# KiCad board panel_0.kicad_pcb (continued)
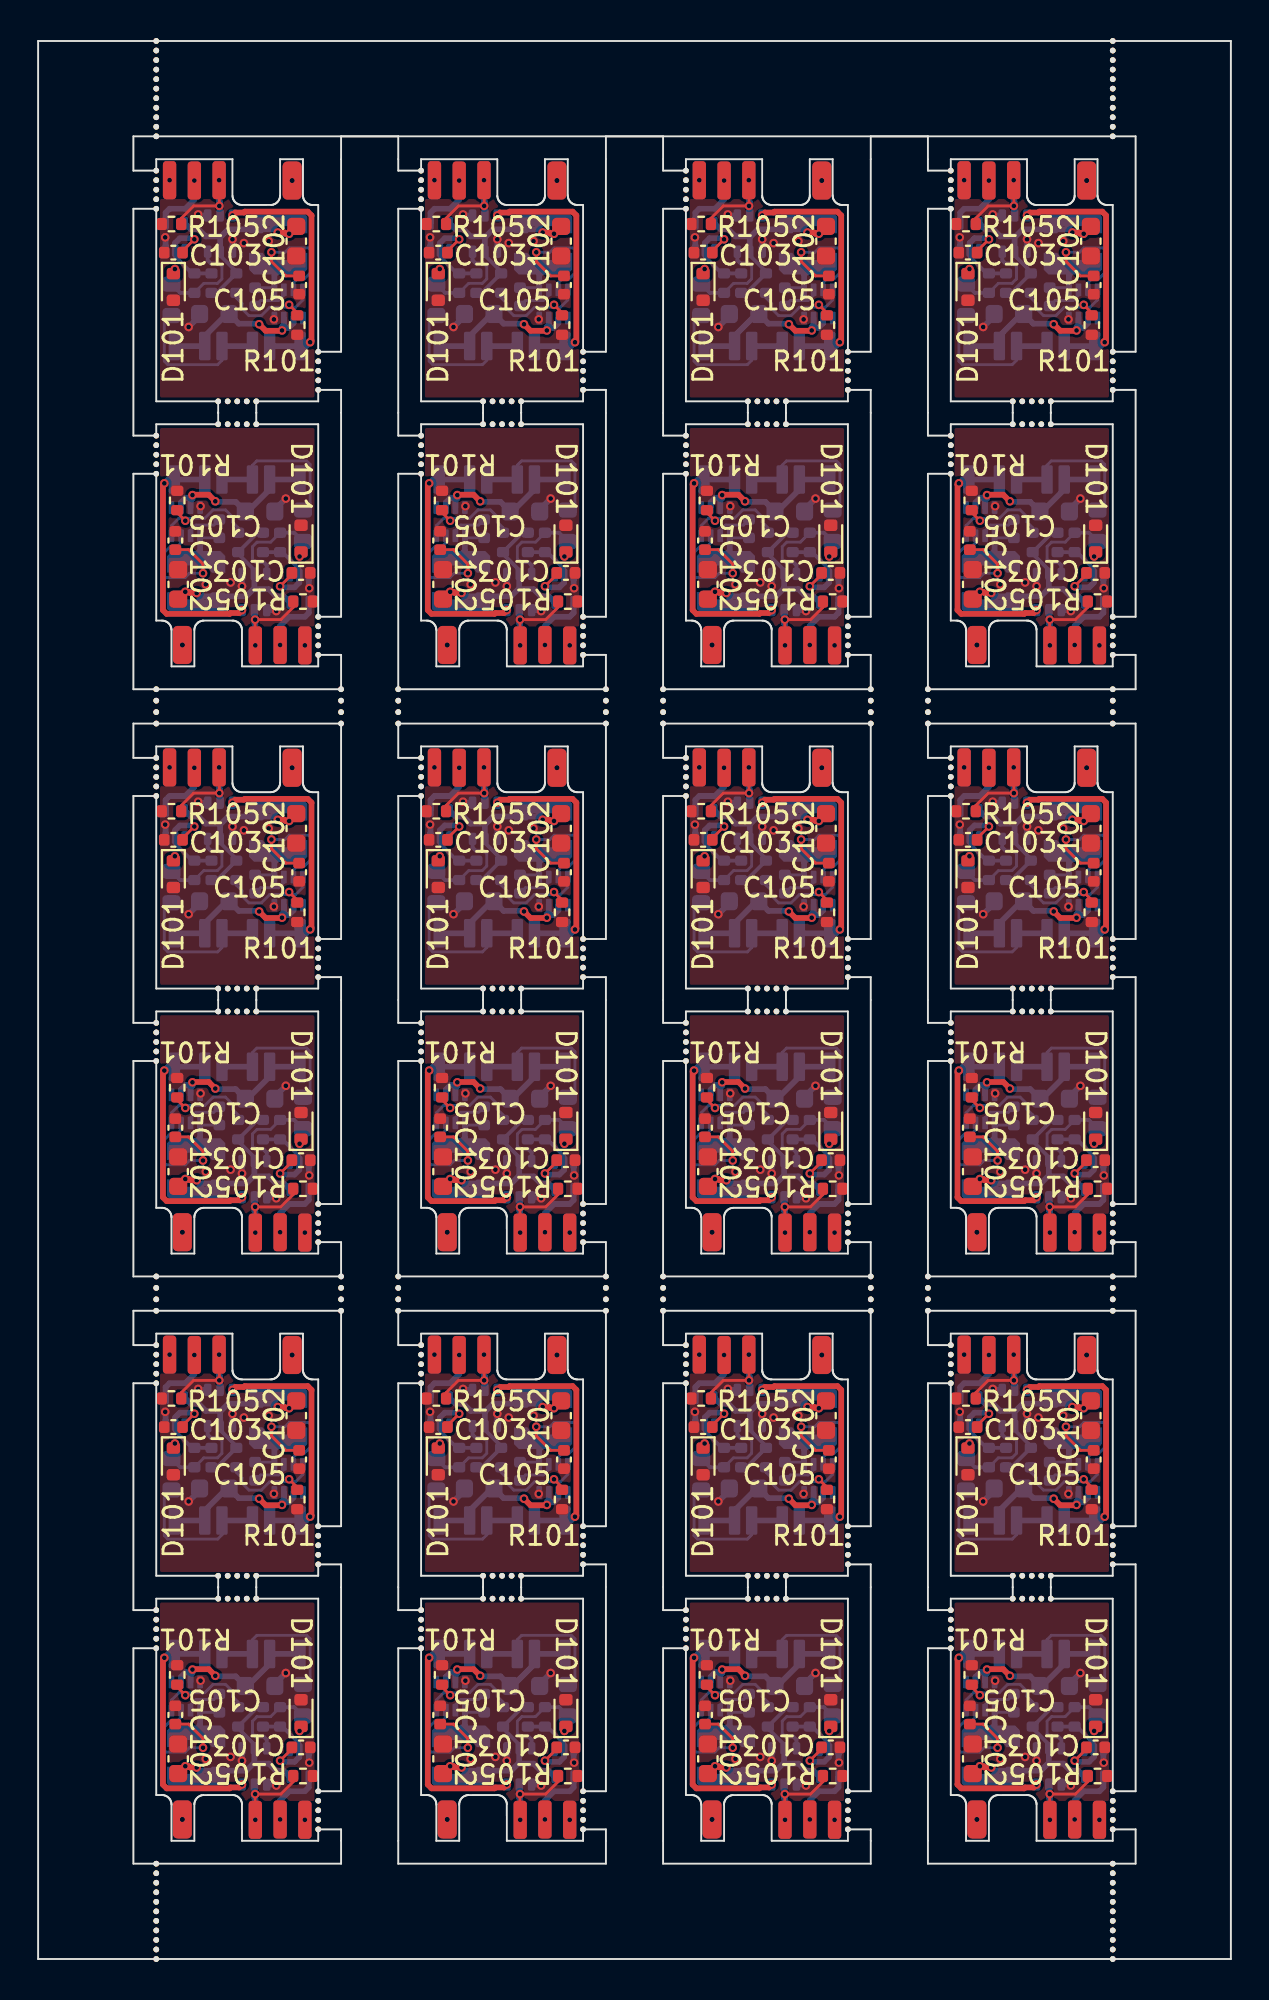
[diagram p0: board, top side]
## Nets (continued)
Board_10-/DBUS_R: D101#15.1 Q102#16.3 R102#10.1 R103#9.2
Board_10-/FB: R101#14.1 R104#5.2 U103#11.8
Board_10-/IN: C103#24.1 R102#10.2 R106#13.2 U102#11.2
Board_10-/IO4: H104#12.1 H110#14.1 Q102#16.5 R105#3.1
Board_10-/IO5: H105#24.1 H109#11.1 U102#11.4
Board_10-/SW: C104#13.2 L101#21.1 U103#11.5
Board_10-/V+: C101#5.1 H101#21.1 U103#11.2 U103#11.3
Board_10-/V-: H103#16.1 Q102#16.6
Board_10-GND: C101#5.2 C102#24.2 C103#24.2 C105#7.2 D101#15.2 H107#16.1 H111#16.1 Q102#16.1 Q102#16.4 R101#14.2 R105#3.2 U102#11.3 U103#11.4
Board_10-Net-(U103-SS): C105#7.1 U103#11.7
Board_10-unconnected-(U102-NC-Pad1): U102#11.1
Board_10-unconnected-(U103-RT-Pad1): U103#11.1
Board_11-+3V3: C102#14.1 H106#2.1 H108#13.1 L101#14.2 Q102#3.2 R104#17.1 R106#21.1 U102#4.5
Board_11-/BST: C104#4.1 U103#10.6
Board_11-/DBUS: H102#10.1 R103#16.1
Board_11-/DBUS_R: D101#17.1 Q102#3.3 R102#17.1 R103#16.2
Board_11-/FB: R101#18.1 R104#17.2 U103#10.8
Board_11-/IN: C103#6.1 R102#17.2 R106#21.2 U102#4.2
Board_11-/IO4: H104#13.1 H110#20.1 Q102#3.5 R105#23.1
Board_11-/IO5: H105#5.1 H109#17.1 U102#4.4
Board_11-/SW: C104#4.2 L101#14.1 U103#10.5
Board_11-/V+: C101#13.1 H101#22.1 U103#10.2 U103#10.3
Board_11-/V-: H103#9.1 Q102#3.6
Board_11-GND: C101#13.2 C102#14.2 C103#6.2 C105#15.2 D101#17.2 H107#3.1 H111#22.1 Q102#3.1 Q102#3.4 R101#18.2 R105#23.2 U102#4.3 U103#10.4
Board_11-Net-(U103-SS): C105#15.1 U103#10.7
Board_11-unconnected-(U102-NC-Pad1): U102#4.1
Board_11-unconnected-(U103-RT-Pad1): U103#10.1
Board_12-+3V3: C102#2.1 H106#17.1 H108#14.1 L101#18.2 Q102#18.2 R104#21.1 R106#7.1 U102#3.5
Board_12-/BST: C104#6.1 U103#12.6
Board_12-/DBUS: H102#9.1 R103#4.1
Board_12-/DBUS_R: D101#21.1 Q102#18.3 R102#6.1 R103#4.2
Board_12-/FB: R101#16.1 R104#21.2 U103#12.8
Board_12-/IN: C103#20.1 R102#6.2 R106#7.2 U102#3.2
Board_12-/IO4: H104#17.1 H110#9.1 Q102#18.5 R105#14.1
Board_12-/IO5: H105#16.1 H109#2.1 U102#3.4
Board_12-/SW: C104#6.2 L101#18.1 U103#12.5
Board_12-/V+: C101#15.1 H101#5.1 U103#12.2 U103#12.3
Board_12-/V-: H103#23.1 Q102#18.6
Board_12-GND: C101#15.2 C102#2.2 C103#20.2 C105#17.2 D101#21.2 H107#14.1 H111#14.1 Q102#18.1 Q102#18.4 R101#16.2 R105#14.2 U102#3.3 U103#12.4
Board_12-Net-(U103-SS): C105#17.1 U103#12.7
Board_12-unconnected-(U102-NC-Pad1): U102#3.1
Board_12-unconnected-(U103-RT-Pad1): U103#12.1
Board_13-+3V3: C102#4.1 H106#22.1 H108.1 L101#23.2 Q102#6.2 R104#2.1 R106#22.1 U102#17.5
Board_13-/BST: C104#20.1 U103.6
Board_13-/DBUS: H102#18.1 R103#21.1
Board_13-/DBUS_R: D101#7.1 Q102#6.3 R102#23.1 R103#21.2
Board_13-/FB: R101#4.1 R104#2.2 U103.8
Board_13-/IN: C103#3.1 R102#23.2 R106#22.2 U102#17.2
Board_13-/IO4: H104#11.1 H110#7.1 Q102#6.5 R105#8.1
Board_13-/IO5: H105#11.1 H109#16.1 U102#17.4
Board_13-/SW: C104#20.2 L101#23.1 U103.5
Board_13-/V+: C101#2.1 H101#6.1 U103.2 U103.3
Board_13-/V-: H103#18.1 Q102#6.6
Board_13-GND: C101#2.2 C102#4.2 C103#3.2 C105#8.2 D101#7.2 H107#11.1 H111.1 Q102#6.1 Q102#6.4 R101#4.2 R105#8.2 U102#17.3 U103.4
Board_13-Net-(U103-SS): C105#8.1 U103.7
Board_13-unconnected-(U102-NC-Pad1): U102#17.1
Board_13-unconnected-(U103-RT-Pad1): U103.1
Board_14-+3V3: C102#20.1 H106#7.1 H108#23.1 L101#10.2 Q102.2 R104#20.1 R106#10.1 U102#7.5
Board_14-/BST: C104#5.1 U103#9.6
Board_14-/DBUS: H102#4.1 R103#12.1
Board_14-/DBUS_R: D101#14.1 Q102.3 R102#19.1 R103#12.2
Board_14-/FB: R101#23.1 R104#20.2 U103#9.8
Board_14-/IN: C103#8.1 R102#19.2 R106#10.2 U102#7.2
Board_14-/IO4: H104#19.1 H110#16.1 Q102.5 R105#10.1
Board_14-/IO5: H105#22.1 H109#24.1 U102#7.4
Board_14-/SW: C104#5.2 L101#10.1 U103#9.5
Board_14-/V+: C101#7.1 H101#12.1 U103#9.2 U103#9.3
Board_14-/V-: H103#14.1 Q102.6
Board_14-GND: C101#7.2 C102#20.2 C103#8.2 C105#20.2 D101#14.2 H107#7.1 H111#21.1 Q102.1 Q102.4 R101#23.2 R105#10.2 U102#7.3 U103#9.4
Board_14-Net-(U103-SS): C105#20.1 U103#9.7
Board_14-unconnected-(U102-NC-Pad1): U102#7.1
Board_14-unconnected-(U103-RT-Pad1): U103#9.1
Board_15-+3V3: C102#8.1 H106#6.1 H108#3.1 L101#9.2 Q102#14.2 R104#24.1 R106#18.1 U102#12.5
Board_15-/BST: C104#14.1 U103#23.6
Board_15-/DBUS: H102#7.1 R103.1
Board_15-/DBUS_R: D101#10.1 Q102#14.3 R102#14.1 R103.2
Board_15-/FB: R101#17.1 R104#24.2 U103#23.8
Board_15-/IN: C103#2.1 R102#14.2 R106#18.2 U102#12.2
Board_15-/IO4: H104#14.1 H110#2.1 Q102#14.5 R105#7.1
Board_15-/IO5: H105#3.1 H109#8.1 U102#12.4
Board_15-/SW: C104#14.2 L101#9.1 U103#23.5
Board_15-/V+: C101#6.1 H101#18.1 U103#23.2 U103#23.3
Board_15-/V-: H103#6.1 Q102#14.6
Board_15-GND: C101#6.2 C102#8.2 C103#2.2 C105#2.2 D101#10.2 H107#6.1 H111#20.1 Q102#14.1 Q102#14.4 R101#17.2 R105#7.2 U102#12.3 U103#23.4
Board_15-Net-(U103-SS): C105#2.1 U103#23.7
Board_15-unconnected-(U102-NC-Pad1): U102#12.1
Board_15-unconnected-(U103-RT-Pad1): U103#23.1
Board_16-+3V3: C102#17.1 H106#21.1 H108#22.1 L101#5.2 Q102#20.2 R104#7.1 R106#14.1 U102#22.5
Board_16-/BST: C104#2.1 U103#19.6
Board_16-/DBUS: H102#13.1 R103#10.1
Board_16-/DBUS_R: D101#2.1 Q102#20.3 R102#3.1 R103#10.2
Board_16-/FB: R101.1 R104#7.2 U103#19.8
Board_16-/IN: C103#10.1 R102#3.2 R106#14.2 U102#22.2
Board_16-/IO4: H104#9.1 H110#18.1 Q102#20.5 R105#12.1
Board_16-/IO5: H105#2.1 H109#12.1 U102#22.4
Board_16-/SW: C104#2.2 L101#5.1 U103#19.5
Board_16-/V+: C101#22.1 H101#10.1 U103#19.2 U103#19.3
Board_16-/V-: H103#8.1 Q102#20.6
Board_16-GND: C101#22.2 C102#17.2 C103#10.2 C105#24.2 D101#2.2 H107#5.1 H111#11.1 Q102#20.1 Q102#20.4 R101.2 R105#12.2 U102#22.3 U103#19.4
Board_16-Net-(U103-SS): C105#24.1 U103#19.7
Board_16-unconnected-(U102-NC-Pad1): U102#22.1
Board_16-unconnected-(U103-RT-Pad1): U103#19.1
Board_17-+3V3: C102#15.1 H106#11.1 H108#5.1 L101#2.2 Q102#22.2 R104#19.1 R106#19.1 U102#16.5
Board_17-/BST: C104#8.1 U103#7.6
Board_17-/DBUS: H102#21.1 R103#20.1
Board_17-/DBUS_R: D101#18.1 Q102#22.3 R102#15.1 R103#20.2
Board_17-/FB: R101#3.1 R104#19.2 U103#7.8
Board_17-/IN: C103#9.1 R102#15.2 R106#19.2 U102#16.2
Board_17-/IO4: H104#18.1 H110#4.1 Q102#22.5 R105#24.1
Board_17-/IO5: H105.1 H109#9.1 U102#16.4
Board_17-/SW: C104#8.2 L101#2.1 U103#7.5
Board_17-/V+: C101#23.1 H101#17.1 U103#7.2 U103#7.3
Board_17-/V-: H103#19.1 Q102#22.6
Board_17-GND: C101#23.2 C102#15.2 C103#9.2 C105#16.2 D101#18.2 H107#13.1 H111#10.1 Q102#22.1 Q102#22.4 R101#3.2 R105#24.2 U102#16.3 U103#7.4
Board_17-Net-(U103-SS): C105#16.1 U103#7.7
Board_17-unconnected-(U102-NC-Pad1): U102#16.1
Board_17-unconnected-(U103-RT-Pad1): U103#7.1
Board_18-+3V3: C102#3.1 H106#4.1 H108#20.1 L101.2 Q102#13.2 R104.1 R106#4.1 U102#21.5
Board_18-/BST: C104#21.1 U103#21.6
Board_18-/DBUS: H102.1 R103#24.1
Board_18-/DBUS_R: D101#16.1 Q102#13.3 R102#24.1 R103#24.2
Board_18-/FB: R101#12.1 R104.2 U103#21.8
Board_18-/IN: C103#14.1 R102#24.2 R106#4.2 U102#21.2
Board_18-/IO4: H104#2.1 H110#12.1 Q102#13.5 R105#2.1
Board_18-/IO5: H105#20.1 H109#19.1 U102#21.4
Board_18-/SW: C104#21.2 L101.1 U103#21.5
Board_18-/V+: C101#21.1 H101#11.1 U103#21.2 U103#21.3
Board_18-/V-: H103#17.1 Q102#13.6
Board_18-GND: C101#21.2 C102#3.2 C103#14.2 C105#22.2 D101#16.2 H107#2.1 H111#19.1 Q102#13.1 Q102#13.4 R101#12.2 R105#2.2 U102#21.3 U103#21.4
Board_18-Net-(U103-SS): C105#22.1 U103#21.7
Board_18-unconnected-(U102-NC-Pad1): U102#21.1
Board_18-unconnected-(U103-RT-Pad1): U103#21.1
Board_19-+3V3: C102#11.1 H106#12.1 H108#2.1 L101#7.2 Q102#15.2 R104#6.1 R106#9.1 U102#19.5
Board_19-/BST: C104#22.1 U103#14.6
Board_19-/DBUS: H102#5.1 R103#19.1
Board_19-/DBUS_R: D101#5.1 Q102#15.3 R102#20.1 R103#19.2
Board_19-/FB: R101#8.1 R104#6.2 U103#14.8
Board_19-/IN: C103.1 R102#20.2 R106#9.2 U102#19.2
Board_19-/IO4: H104#4.1 H110#24.1 Q102#15.5 R105#13.1
Board_19-/IO5: H105#7.1 H109#18.1 U102#19.4
Board_19-/SW: C104#22.2 L101#7.1 U103#14.5
Board_19-/V+: C101#17.1 H101#23.1 U103#14.2 U103#14.3
Board_19-/V-: H103#15.1 Q102#15.6
Board_19-GND: C101#17.2 C102#11.2 C103.2 C105#13.2 D101#5.2 H107#20.1 H111#2.1 Q102#15.1 Q102#15.4 R101#8.2 R105#13.2 U102#19.3 U103#14.4
Board_19-Net-(U103-SS): C105#13.1 U103#14.7
Board_19-unconnected-(U102-NC-Pad1): U102#19.1
Board_19-unconnected-(U103-RT-Pad1): U103#14.1
Board_20-+3V3: C102#9.1 H106#5.1 H108#15.1 L101#12.2 Q102#9.2 R104#23.1 R106#17.1 U102#6.5
Board_20-/BST: C104#16.1 U103#2.6
Board_20-/DBUS: H102#6.1 R103#11.1
Board_20-/DBUS_R: D101#12.1 Q102#9.3 R102#2.1 R103#11.2
Board_20-/FB: R101#11.1 R104#23.2 U103#2.8
Board_20-/IN: C103#23.1 R102#2.2 R106#17.2 U102#6.2
Board_20-/IO4: H104#16.1 H110#21.1 Q102#9.5 R105#18.1
Board_20-/IO5: H105#17.1 H109#4.1 U102#6.4
Board_20-/SW: C104#16.2 L101#12.1 U103#2.5
Board_20-/V+: C101#16.1 H101#19.1 U103#2.2 U103#2.3
Board_20-/V-: H103#20.1 Q102#9.6
Board_20-GND: C101#16.2 C102#9.2 C103#23.2 C105#21.2 D101#12.2 H107#9.1 H111#5.1 Q102#9.1 Q102#9.4 R101#11.2 R105#18.2 U102#6.3 U103#2.4
Board_20-Net-(U103-SS): C105#21.1 U103#2.7
Board_20-unconnected-(U102-NC-Pad1): U102#6.1
Board_20-unconnected-(U103-RT-Pad1): U103#2.1
Board_21-+3V3: C102.1 H106#13.1 H108#9.1 L101#17.2 Q102#19.2 R104#13.1 R106#8.1 U102#13.5
Board_21-/BST: C104#7.1 U103#18.6
Board_21-/DBUS: H102#11.1 R103#6.1
Board_21-/DBUS_R: D101#9.1 Q102#19.3 R102#16.1 R103#6.2
Board_21-/FB: R101#19.1 R104#13.2 U103#18.8
Board_21-/IN: C103#13.1 R102#16.2 R106#8.2 U102#13.2
Board_21-/IO4: H104#15.1 H110#19.1 Q102#19.5 R105#4.1
Board_21-/IO5: H105#9.1 H109#22.1 U102#13.4
Board_21-/SW: C104#7.2 L101#17.1 U103#18.5
Board_21-/V+: C101#14.1 H101#3.1 U103#18.2 U103#18.3
Board_21-/V-: H103#13.1 Q102#19.6
Board_21-GND: C101#14.2 C102.2 C103#13.2 C105#14.2 D101#9.2 H107#24.1 H111#12.1 Q102#19.1 Q102#19.4 R101#19.2 R105#4.2 U102#13.3 U103#18.4
Board_21-Net-(U103-SS): C105#14.1 U103#18.7
Board_21-unconnected-(U102-NC-Pad1): U102#13.1
Board_21-unconnected-(U103-RT-Pad1): U103#18.1
Board_22-+3V3: C102#23.1 H106#14.1 H108#17.1 L101#8.2 Q102#21.2 R104#8.1 R106#11.1 U102#18.5
Board_22-/BST: C104#10.1 U103#20.6
Board_22-/DBUS: H102#12.1 R103#5.1
Board_22-/DBUS_R: D101#11.1 Q102#21.3 R102#9.1 R103#5.2
Board_22-/FB: R101#20.1 R104#8.2 U103#20.8
Board_22-/IN: C103#22.1 R102#9.2 R106#11.2 U102#18.2
Board_22-/IO4: H104#21.1 H110.1 Q102#21.5 R105#20.1
Board_22-/IO5: H105#14.1 H109#5.1 U102#18.4
Board_22-/SW: C104#10.2 L101#8.1 U103#20.5
Board_22-/V+: C101#24.1 H101#7.1 U103#20.2 U103#20.3
Board_22-/V-: H103#11.1 Q102#21.6
Board_22-GND: C101#24.2 C102#23.2 C103#22.2 C105#10.2 D101#11.2 H107#23.1 H111#17.1 Q102#21.1 Q102#21.4 R101#20.2 R105#20.2 U102#18.3 U103#20.4
Board_22-Net-(U103-SS): C105#10.1 U103#20.7
Board_22-unconnected-(U102-NC-Pad1): U102#18.1
Board_22-unconnected-(U103-RT-Pad1): U103#20.1
Board_23-+3V3: C102#7.1 H106#9.1 H108#16.1 L101#3.2 Q102#11.2 R104#12.1 R106#23.1 U102.5
Board_23-/BST: C104.1 U103#3.6
Board_23-/DBUS: H102#23.1 R103#3.1
Board_23-/DBUS_R: D101#13.1 Q102#11.3 R102#7.1 R103#3.2
Board_23-/FB: R101#22.1 R104#12.2 U103#3.8
Board_23-/IN: C103#7.1 R102#7.2 R106#23.2 U102.2
Board_23-/IO4: H104#3.1 H110#13.1 Q102#11.5 R105#6.1
Board_23-/IO5: H105#21.1 H109#14.1 U102.4
Board_23-/SW: C104.2 L101#3.1 U103#3.5
Board_23-/V+: C101#18.1 H101#16.1 U103#3.2 U103#3.3
Board_23-/V-: H103#5.1 Q102#11.6
Board_23-GND: C101#18.2 C102#7.2 C103#7.2 C105#9.2 D101#13.2 H107#17.1 H111#9.1 Q102#11.1 Q102#11.4 R101#22.2 R105#6.2 U102.3 U103#3.4
Board_23-Net-(U103-SS): C105#9.1 U103#3.7
Board_23-unconnected-(U102-NC-Pad1): U102.1
Board_23-unconnected-(U103-RT-Pad1): U103#3.1

## Via types
v1: diameter 0.45, hole 0.25, Top to Bottom, 552 vias

## Routing (per net, layer and track width the routed paths; a pad name or vN(x,y) marks a point on that pad's centre or on a via; arc(x,y) is an arc through that point)
Board_0-+3V3: length 10.3
  Top w0.3: v1(12.58,90.55) 12.93,90.55 12.99,90.49 v1(13.17,90.49)
  Bottom w0.2: Q102#5.2 9.55,89.35 10.4,88.5 R104#16.1 9.38,87.39 R106#12.1
  Bottom w0.3: Q102#5.2 9.55,90.3 ; 9.55,90.3 9.5,90.35 8.79,90.35 8.42,90.73 8.01,90.73 U102#8.5 ; 9.55,90.3 9.97,90.72 12.25,90.72 12.6,91.07 L101#16.2
  vias: v1(13.33,93.28) v1(13.33,93.28)
Board_0-/BST: length 2
  Bottom w0.15: U103#17.6 12.9,87.27 12.62,86.99 11.68,86.99 C104#11.1
Board_0-/DBUS: length 8.1
  Bottom w0.15: H102#3.1 9.65,83.85 9.42,83.62 6.81,83.62 6.62,83.81 6.62,85.82 R103#22.1
  Bottom w0.3: H102#3.1 H102#3.1
Board_0-/DBUS_R: length 6.3
  Top w0.15: 7.1,88.56 v1(7.18,88.64)
  Bottom w0.15: R102#13.1 8.7,87.89 9.41,87.89 9.65,88.12 9.65,88.79 9.54,88.9 9.45,88.9 ; 7.04,87.89 R103#22.2 7,88.62 7.02,88.64 v1(7.18,88.64)
  Bottom w0.2: R102#13.1 7.46,87.39 R103#22.2 ; 9.52,88.88 9.47,88.93 9.07,88.93 8.9,89.1 Q102#5.3
Board_0-/FB: length 5.9
  Top w0.15: R101#10.1 13.6,86.34 v1(13.17,86.76)
  Bottom w0.15: U103#17.8 13.9,87.02 13.51,86.63 12.15,86.63 11.72,86.19 11.06,86.19 10.7,86.56 10.7,86.83 10.4,87.13 R104#16.2
Board_0-/IN: length 5.1
  Top w0.15: v1(8.2,90.2) 7.58,89.58 C103#16.1
  Bottom w0.2: R106#12.2 R102#13.2 8.08,88.41 7.19,89.3 U102#8.2
  Bottom w0.3: v1(8.2,90.2) 8.14,90.26 7.44,90.26 7.19,90.01 U102#8.2
Board_0-/IO4: length 5.9
  Top w0.15: v1(9.5,93.3) 9.51,93.29 v1(9.51,91.95) ; R105#9.1 7.51,91.3 8.16,91.95 v1(9.51,91.95) ; v1(9.51,91.95) 9.51,91.85
  Bottom w0.3: Q102#5.5 9.55,92.15 9.5,92.2 v1(9.5,93.3)
Board_0-/IO5: length 3.3
  Bottom w0.3: v1(8.2,93.28) 8.2,92.28 7.72,91.8 6.9,91.8 6.69,91.59 U102#8.4
Board_0-/SW: length 2.3
  Bottom w0.15: U103#17.5 12.29,87.66 C104#11.2
  Bottom w0.3: L101#16.1 12.6,88.53 12.4,88.33 U103#17.5
Board_0-/V+: length 8.7
  Top w0.3: v1(12.8,85.42) 12.78,85.4 11.94,85.4 v1(11.6,85.74)
  Bottom w0.3: v1(11.6,85.74) 11.57,85.77 10.53,85.77 10.02,86.28 9.9,86.28 8.75,85.13 H101#8.1 H101#8.1 ; U103#17.3 12.9,85.7 12.8,85.6 v1(12.8,85.42) 12.94,85.56 13.16,85.56 13.4,85.8 U103#17.2
Board_0-/V-: length 13.2
  Top w0.3: v1(10.2,91.45) 10.35,91.6 10.8,91.6 10.85,91.65 14.15,91.65 14.35,91.45 14.35,84.87 v1(14.27,84.8)
  Bottom w0.3: H103#22.1 H103#22.1 14.08,84.6 v1(14.27,84.8)
Board_0-GND: length 2.9
  Bottom w0.2: v1(12.37,86) 12.4,86.02 U103#17.4
  Bottom w0.3: U102#8.3 6.69,90.28 v1(6.67,90.3) ; Q102#5.4 8.45,91.45 v1(8.4,91.5) ; C101#12.2 8.47,86.17 v1(7.9,85.6) ; Q102#5.1 v1(10.2,90.2)
  vias: v1(6.9,93.3) v1(10.8,90) v1(12.1,90.1)
Board_0-Net-(U103-SS): length 7.2
  Top w0.15: C105#18.1 13,88.28 12.25,89.03 v1(12.25,89.52)
  Bottom w0.15: U103#17.7 13.4,87.92 13.6,88.12 13.97,88.12 14.36,88.51 14.36,89.59 14.2,89.74 13.18,89.74 12.96,89.52 v1(12.25,89.52)
Board_1-+3V3: length 10.3
  Top w0.3: v1(26.48,90.55) 26.83,90.55 26.89,90.49 v1(27.08,90.49)
  Bottom w0.2: R106#16.1 23.28,87.39 R104#22.1 24.3,88.5 23.45,89.35 Q102#24.2
  Bottom w0.3: Q102#24.2 23.45,90.3 ; 23.45,90.3 23.4,90.35 22.69,90.35 22.32,90.73 21.91,90.73 U102#23.5 ; 23.45,90.3 23.87,90.72 26.15,90.72 26.5,91.07 L101#19.2
  vias: v1(27.23,93.28) v1(27.23,93.28)
Board_1-/BST: length 2
  Bottom w0.15: U103#4.6 26.8,87.27 26.52,86.99 25.58,86.99 C104#15.1
Board_1-/DBUS: length 8.1
  Bottom w0.15: H102#17.1 23.55,83.85 23.32,83.62 20.71,83.62 20.52,83.81 20.52,85.82 R103#17.1
  Bottom w0.3: H102#17.1 H102#17.1
Board_1-/DBUS_R: length 6.3
  Top w0.15: 21,88.56 v1(21.08,88.64)
  Bottom w0.15: 23.35,88.9 23.44,88.9 23.55,88.79 23.55,88.12 23.31,87.89 22.6,87.89 R102.1 ; v1(21.08,88.64) 20.92,88.64 20.9,88.62 R103#17.2 20.94,87.89
  Bottom w0.2: 23.42,88.88 23.37,88.93 22.97,88.93 22.8,89.1 Q102#24.3 ; R103#17.2 21.36,87.39 R102.1
Board_1-/FB: length 5.9
  Top w0.15: v1(27.07,86.76) 27.5,86.34 R101#13.1
  Bottom w0.15: R104#22.2 24.3,87.13 24.6,86.83 24.6,86.56 24.96,86.19 25.62,86.19 26.05,86.63 27.41,86.63 27.8,87.02 U103#4.8
Board_1-/IN: length 5.1
  Top w0.15: v1(22.1,90.2) 21.48,89.58 C103#4.1
  Bottom w0.2: R106#16.2 R102.2 21.98,88.41 21.09,89.3 U102#23.2
  Bottom w0.3: v1(22.1,90.2) 22.04,90.26 21.34,90.26 21.09,90.01 U102#23.2
Board_1-/IO4: length 5.9
  Top w0.15: 23.41,91.85 v1(23.41,91.95) ; v1(23.41,91.95) 23.41,93.29 v1(23.4,93.3) ; v1(23.41,91.95) 22.06,91.95 21.41,91.3 R105#19.1
  Bottom w0.3: Q102#24.5 23.45,92.15 23.4,92.2 v1(23.4,93.3)
Board_1-/IO5: length 3.3
  Bottom w0.3: v1(22.1,93.28) 22.1,92.28 21.62,91.8 20.8,91.8 20.59,91.59 U102#23.4
Board_1-/SW: length 2.3
  Bottom w0.15: U103#4.5 26.19,87.66 C104#15.2
  Bottom w0.3: U103#4.5 26.3,88.33 26.5,88.53 L101#19.1
Board_1-/V+: length 8.7
  Top w0.3: v1(25.5,85.74) 25.84,85.4 26.68,85.4 v1(26.7,85.42)
  Bottom w0.3: U103#4.2 27.3,85.8 27.06,85.56 26.84,85.56 v1(26.7,85.42) 26.7,85.6 26.8,85.7 U103#4.3 ; v1(25.5,85.74) 25.47,85.77 24.43,85.77 C101#11.1 23.8,86.28 22.65,85.13 H101#20.1 H101#20.1
Board_1-/V-: length 13.2
  Top w0.3: v1(24.1,91.45) 24.25,91.6 24.7,91.6 24.75,91.65 28.05,91.65 28.25,91.45 28.25,84.87 v1(28.17,84.8)
  Bottom w0.3: H103#21.1 H103#21.1 27.98,84.6 v1(28.17,84.8)
Board_1-GND: length 2.9
  Bottom w0.2: U103#4.4 26.3,86.02 v1(26.27,86)
  Bottom w0.3: C101#11.2 22.37,86.17 v1(21.8,85.6) ; U102#23.3 20.59,90.28 v1(20.57,90.3) ; Q102#24.1 v1(24.1,90.2) ; v1(22.3,91.5) 22.35,91.45 Q102#24.4
  vias: v1(20.8,93.3) v1(24.7,90) v1(26,90.1)
Board_1-Net-(U103-SS): length 7.2
  Top w0.15: v1(26.15,89.52) 26.15,89.03 26.9,88.28 C105#4.1
  Bottom w0.15: v1(26.15,89.52) 26.86,89.52 27.08,89.74 28.1,89.74 28.26,89.59 28.26,88.51 27.87,88.12 27.5,88.12 27.3,87.92 U103#4.7
Board_2-+3V3: length 10.3
  Top w0.3: v1(40.38,90.55) 40.73,90.55 40.79,90.49 v1(40.98,90.49)
  Bottom w0.2: Q102#10.2 37.35,89.35 38.2,88.5 R104#9.1 37.18,87.39 R106.1
  Bottom w0.3: 37.35,90.3 37.3,90.35 36.59,90.35 36.22,90.73 35.81,90.73 U102#24.5 ; 37.35,90.3 Q102#10.2 ; 37.35,90.3 37.77,90.72 40.05,90.72 40.4,91.07 L101#11.2
  vias: v1(41.13,93.28) v1(41.13,93.28)
Board_2-/BST: length 2
  Bottom w0.15: U103#24.6 40.7,87.27 40.42,86.99 39.48,86.99 C104#9.1
Board_2-/DBUS: length 8.1
  Bottom w0.15: H102#22.1 37.45,83.85 37.22,83.62 34.61,83.62 34.42,83.81 34.42,85.82 R103#14.1
  Bottom w0.3: H102#22.1 H102#22.1
Board_2-/DBUS_R: length 6.3
  Top w0.15: 34.9,88.56 v1(34.98,88.64)
  Bottom w0.15: v1(34.98,88.64) 34.82,88.64 34.8,88.62 R103#14.2 34.84,87.89 ; 37.25,88.9 37.34,88.9 37.45,88.79 37.45,88.12 37.21,87.89 36.5,87.89 R102#22.1
  Bottom w0.2: R102#22.1 35.26,87.39 R103#14.2 ; 37.32,88.88 37.27,88.93 36.87,88.93 36.7,89.1 Q102#10.3
Board_2-/FB: length 5.9
  Top w0.15: R101#24.1 41.4,86.34 v1(40.97,86.76)
  Bottom w0.15: U103#24.8 41.7,87.02 41.31,86.63 39.95,86.63 39.52,86.19 38.86,86.19 38.5,86.56 38.5,86.83 38.2,87.13 R104#9.2
Board_2-/IN: length 5.1
  Top w0.15: C103#21.1 35.38,89.58 v1(36,90.2)
  Bottom w0.2: U102#24.2 34.99,89.3 35.88,88.41 R102#22.2 R106.2
  Bottom w0.3: U102#24.2 34.99,90.01 35.24,90.26 35.94,90.26 v1(36,90.2)
Board_2-/IO4: length 5.9
  Top w0.15: 37.31,91.85 v1(37.31,91.95) ; v1(37.31,91.95) 35.96,91.95 35.31,91.3 R105.1 ; v1(37.31,91.95) 37.31,93.29 v1(37.3,93.3)
  Bottom w0.3: Q102#10.5 37.35,92.15 37.3,92.2 v1(37.3,93.3)
Board_2-/IO5: length 3.3
  Bottom w0.3: v1(36,93.28) 36,92.28 35.52,91.8 34.7,91.8 34.49,91.59 U102#24.4
Board_2-/SW: length 2.3
  Bottom w0.15: C104#9.2 40.09,87.66 U103#24.5
  Bottom w0.3: L101#11.1 40.4,88.53 40.2,88.33 U103#24.5
Board_2-/V+: length 8.7
  Top w0.3: v1(39.4,85.74) 39.74,85.4 40.58,85.4 v1(40.6,85.42)
  Bottom w0.3: H101.1 H101.1 36.55,85.13 37.7,86.28 C101#9.1 38.33,85.77 39.37,85.77 v1(39.4,85.74) ; U103#24.3 40.7,85.7 40.6,85.6 v1(40.6,85.42) 40.74,85.56 40.96,85.56 41.2,85.8 U103#24.2
Board_2-/V-: length 13.2
  Top w0.3: v1(38,91.45) 38.15,91.6 38.6,91.6 38.65,91.65 41.95,91.65 42.15,91.45 42.15,84.87 v1(42.08,84.8)
  Bottom w0.3: H103#10.1 H103#10.1 41.87,84.6 v1(42.08,84.8)
Board_2-GND: length 2.9
  Bottom w0.2: v1(40.17,86) 40.2,86.02 U103#24.4
  Bottom w0.3: v1(34.47,90.3) 34.49,90.28 U102#24.3 ; C101#9.2 36.27,86.17 v1(35.7,85.6) ; v1(36.2,91.5) 36.25,91.45 Q102#10.4 ; Q102#10.1 v1(38,90.2)
  vias: v1(34.7,93.3) v1(38.6,90) v1(39.9,90.1)
Board_2-Net-(U103-SS): length 7.2
  Top w0.15: v1(40.05,89.52) 40.05,89.03 40.8,88.28 C105#19.1
  Bottom w0.15: v1(40.05,89.52) 40.76,89.52 40.98,89.74 42,89.74 42.16,89.59 42.16,88.51 41.77,88.12 41.4,88.12 41.2,87.92 U103#24.7
Board_3-+3V3: length 10.3
  Top w0.3: v1(54.28,90.55) 54.63,90.55 54.69,90.49 v1(54.87,90.49)
  Bottom w0.2: Q102#8.2 51.25,89.35 52.1,88.5 R104#14.1 51.08,87.39 R106#5.1
  Bottom w0.3: L101#13.2 54.3,91.07 53.95,90.72 51.67,90.72 51.25,90.3 ; U102#10.5 49.71,90.73 50.12,90.73 50.49,90.35 51.2,90.35 51.25,90.3 ; 51.25,90.3 Q102#8.2
  vias: v1(55.03,93.28) v1(55.03,93.28)
Board_3-/BST: length 2
  Bottom w0.15: C104#24.1 53.38,86.99 54.32,86.99 54.6,87.27 U103#6.6
Board_3-/DBUS: length 8.1
  Bottom w0.15: R103#13.1 48.32,85.82 48.32,83.81 48.51,83.62 51.12,83.62 51.35,83.85 H102#8.1
  Bottom w0.3: H102#8.1 H102#8.1
Board_3-/DBUS_R: length 6.3
  Top w0.15: 48.8,88.56 v1(48.88,88.64)
  Bottom w0.15: v1(48.88,88.64) 48.72,88.64 48.7,88.62 R103#13.2 48.74,87.89 ; 51.15,88.9 51.24,88.9 51.35,88.79 51.35,88.12 51.11,87.89 50.4,87.89 R102#12.1
  Bottom w0.2: R102#12.1 49.16,87.39 R103#13.2 ; Q102#8.3 50.6,89.1 50.77,88.93 51.17,88.93 51.22,88.88
Board_3-/FB: length 5.9
  Top w0.15: R101#21.1 55.3,86.34 v1(54.87,86.76)
  Bottom w0.15: R104#14.2 52.1,87.13 52.4,86.83 52.4,86.56 52.76,86.19 53.42,86.19 53.85,86.63 55.21,86.63 55.6,87.02 U103#6.8
Board_3-/IN: length 5.1
  Top w0.15: C103#18.1 49.28,89.58 v1(49.9,90.2)
  Bottom w0.2: U102#10.2 48.89,89.3 49.78,88.41 R102#12.2 R106#5.2
  Bottom w0.3: v1(49.9,90.2) 49.84,90.26 49.14,90.26 48.89,90.01 U102#10.2
Board_3-/IO4: length 5.9
  Top w0.15: R105#16.1 49.21,91.3 49.86,91.95 v1(51.21,91.95) ; v1(51.21,91.95) 51.21,93.29 v1(51.2,93.3) ; v1(51.21,91.95) 51.21,91.85
  Bottom w0.3: v1(51.2,93.3) 51.2,92.2 51.25,92.15 Q102#8.5
Board_3-/IO5: length 3.3
  Bottom w0.3: U102#10.4 48.39,91.59 48.6,91.8 49.42,91.8 49.9,92.28 v1(49.9,93.28)
Board_3-/SW: length 2.3
  Bottom w0.15: C104#24.2 53.99,87.66 U103#6.5
  Bottom w0.3: U103#6.5 54.1,88.33 54.3,88.53 L101#13.1
Board_3-/V+: length 8.7
  Top w0.3: v1(54.5,85.42) 54.48,85.4 53.64,85.4 v1(53.3,85.74)
  Bottom w0.3: U103#6.2 55.1,85.8 54.86,85.56 54.64,85.56 v1(54.5,85.42) 54.5,85.6 54.6,85.7 U103#6.3 ; v1(53.3,85.74) 53.27,85.77 52.23,85.77 C101#4.1 51.6,86.28 50.45,85.13 H101#14.1 H101#14.1
Board_3-/V-: length 13.2
  Top w0.3: v1(51.9,91.45) 52.05,91.6 52.5,91.6 52.55,91.65 55.85,91.65 56.05,91.45 56.05,84.87 v1(55.98,84.8)
  Bottom w0.3: H103#24.1 H103#24.1 55.77,84.6 v1(55.98,84.8)
Board_3-GND: length 2.9
  Bottom w0.2: v1(54.08,86) 54.1,86.02 U103#6.4
  Bottom w0.3: C101#4.2 50.17,86.17 v1(49.6,85.6) ; v1(48.37,90.3) 48.39,90.28 U102#10.3 ; Q102#8.1 v1(51.9,90.2) ; v1(50.1,91.5) 50.15,91.45 Q102#8.4
  vias: v1(48.6,93.3) v1(52.5,90) v1(53.8,90.1)
Board_3-Net-(U103-SS): length 7.2
  Top w0.15: C105.1 54.7,88.28 53.95,89.03 v1(53.95,89.52)
  Bottom w0.15: v1(53.95,89.52) 54.66,89.52 54.88,89.74 55.9,89.74 56.06,89.59 56.06,88.51 55.67,88.12 55.3,88.12 55.1,87.92 U103#6.7
Board_4-+3V3: length 10.3
  Top w0.3: v1(7.72,71.71) 7.91,71.71 7.97,71.65 v1(8.32,71.65)
  Bottom w0.2: Q102#17.2 11.35,72.85 10.5,73.7 R104#4.1 11.52,74.81 R106#24.1
  Bottom w0.3: 11.35,71.9 11.4,71.85 12.11,71.85 12.48,71.47 12.89,71.47 U102#5.5 ; 11.35,71.9 Q102#17.2 ; 11.35,71.9 10.93,71.48 8.65,71.48 8.3,71.13 L101#22.2
  vias: v1(7.57,68.92) v1(7.57,68.92)
Board_4-/BST: length 2
  Bottom w0.15: U103#22.6 8,74.93 8.28,75.21 9.22,75.21 C104#3.1
Board_4-/DBUS: length 8.1
  Bottom w0.15: R103#8.1 14.28,76.38 14.28,78.39 14.09,78.58 11.48,78.58 11.25,78.35 H102#15.1
  Bottom w0.3: H102#15.1 H102#15.1
Board_4-/DBUS_R: length 6.3
  Top w0.15: 13.8,73.64 v1(13.72,73.56)
  Bottom w0.15: v1(13.72,73.56) 13.88,73.56 13.9,73.58 R103#8.2 13.86,74.31 ; R102#18.1 12.2,74.31 11.49,74.31 11.25,74.08 11.25,73.41 11.36,73.3 11.45,73.3
  Bottom w0.2: 11.38,73.32 11.43,73.27 11.83,73.27 12,73.1 Q102#17.3 ; R102#18.1 13.44,74.81 R103#8.2
Board_4-/FB: length 5.9
  Top w0.15: R101#2.1 7.3,75.86 v1(7.73,75.44)
  Bottom w0.15: R104#4.2 10.5,75.07 10.2,75.37 10.2,75.64 9.84,76.01 9.18,76.01 8.75,75.57 7.39,75.57 7,75.18 U103#22.8
Board_4-/IN: length 5.1
  Top w0.15: C103#11.1 13.32,72.62 v1(12.7,72)
  Bottom w0.2: R106#24.2 R102#18.2 12.82,73.79 13.71,72.9 U102#5.2
  Bottom w0.3: v1(12.7,72) 12.76,71.94 13.46,71.94 13.71,72.19 U102#5.2
Board_4-/IO4: length 5.9
  Top w0.15: v1(11.39,70.25) 12.74,70.25 13.39,70.9 R105#5.1 ; v1(11.39,70.25) 11.39,68.91 v1(11.4,68.9) ; v1(11.39,70.25) 11.39,70.35
  Bottom w0.3: v1(11.4,68.9) 11.4,70 11.35,70.05 Q102#17.5
Board_4-/IO5: length 3.3
  Bottom w0.3: U102#5.4 14.21,70.61 14,70.4 13.18,70.4 12.7,69.92 v1(12.7,68.92)
Board_4-/SW: length 2.3
  Bottom w0.15: C104#3.2 8.61,74.54 U103#22.5
  Bottom w0.3: U103#22.5 8.5,73.87 8.3,73.67 L101#22.1
Board_4-/V+: length 8.7
  Top w0.3: v1(8.1,76.78) 8.12,76.8 8.96,76.8 v1(9.3,76.46)
  Bottom w0.3: v1(9.3,76.46) 9.33,76.43 10.37,76.43 C101#8.1 11,75.92 12.15,77.07 H101#9.1 H101#9.1 ; U103#22.3 8,76.5 8.1,76.6 v1(8.1,76.78) 7.96,76.64 7.74,76.64 7.5,76.4 U103#22.2
Board_4-/V-: length 13.2
  Top w0.3: v1(10.7,70.75) 10.55,70.6 10.1,70.6 10.05,70.55 6.75,70.55 6.55,70.75 6.55,77.33 v1(6.62,77.4)
  Bottom w0.3: H103.1 H103.1 6.83,77.6 v1(6.62,77.4)
Board_4-GND: length 2.9
  Bottom w0.2: U103#22.4 8.5,76.17 v1(8.52,76.2)
  Bottom w0.3: v1(13,76.6) 12.42,76.02 C101#8.2 ; U102#5.3 14.21,71.92 v1(14.23,71.9) ; v1(12.5,70.7) 12.45,70.75 Q102#17.4 ; Q102#17.1 v1(10.7,72)
  vias: v1(8.8,72.1) v1(10.1,72.2) v1(14,68.9)
